# Allegro board pc069a_toplevel_13_perhaps_junk.brd (continued)
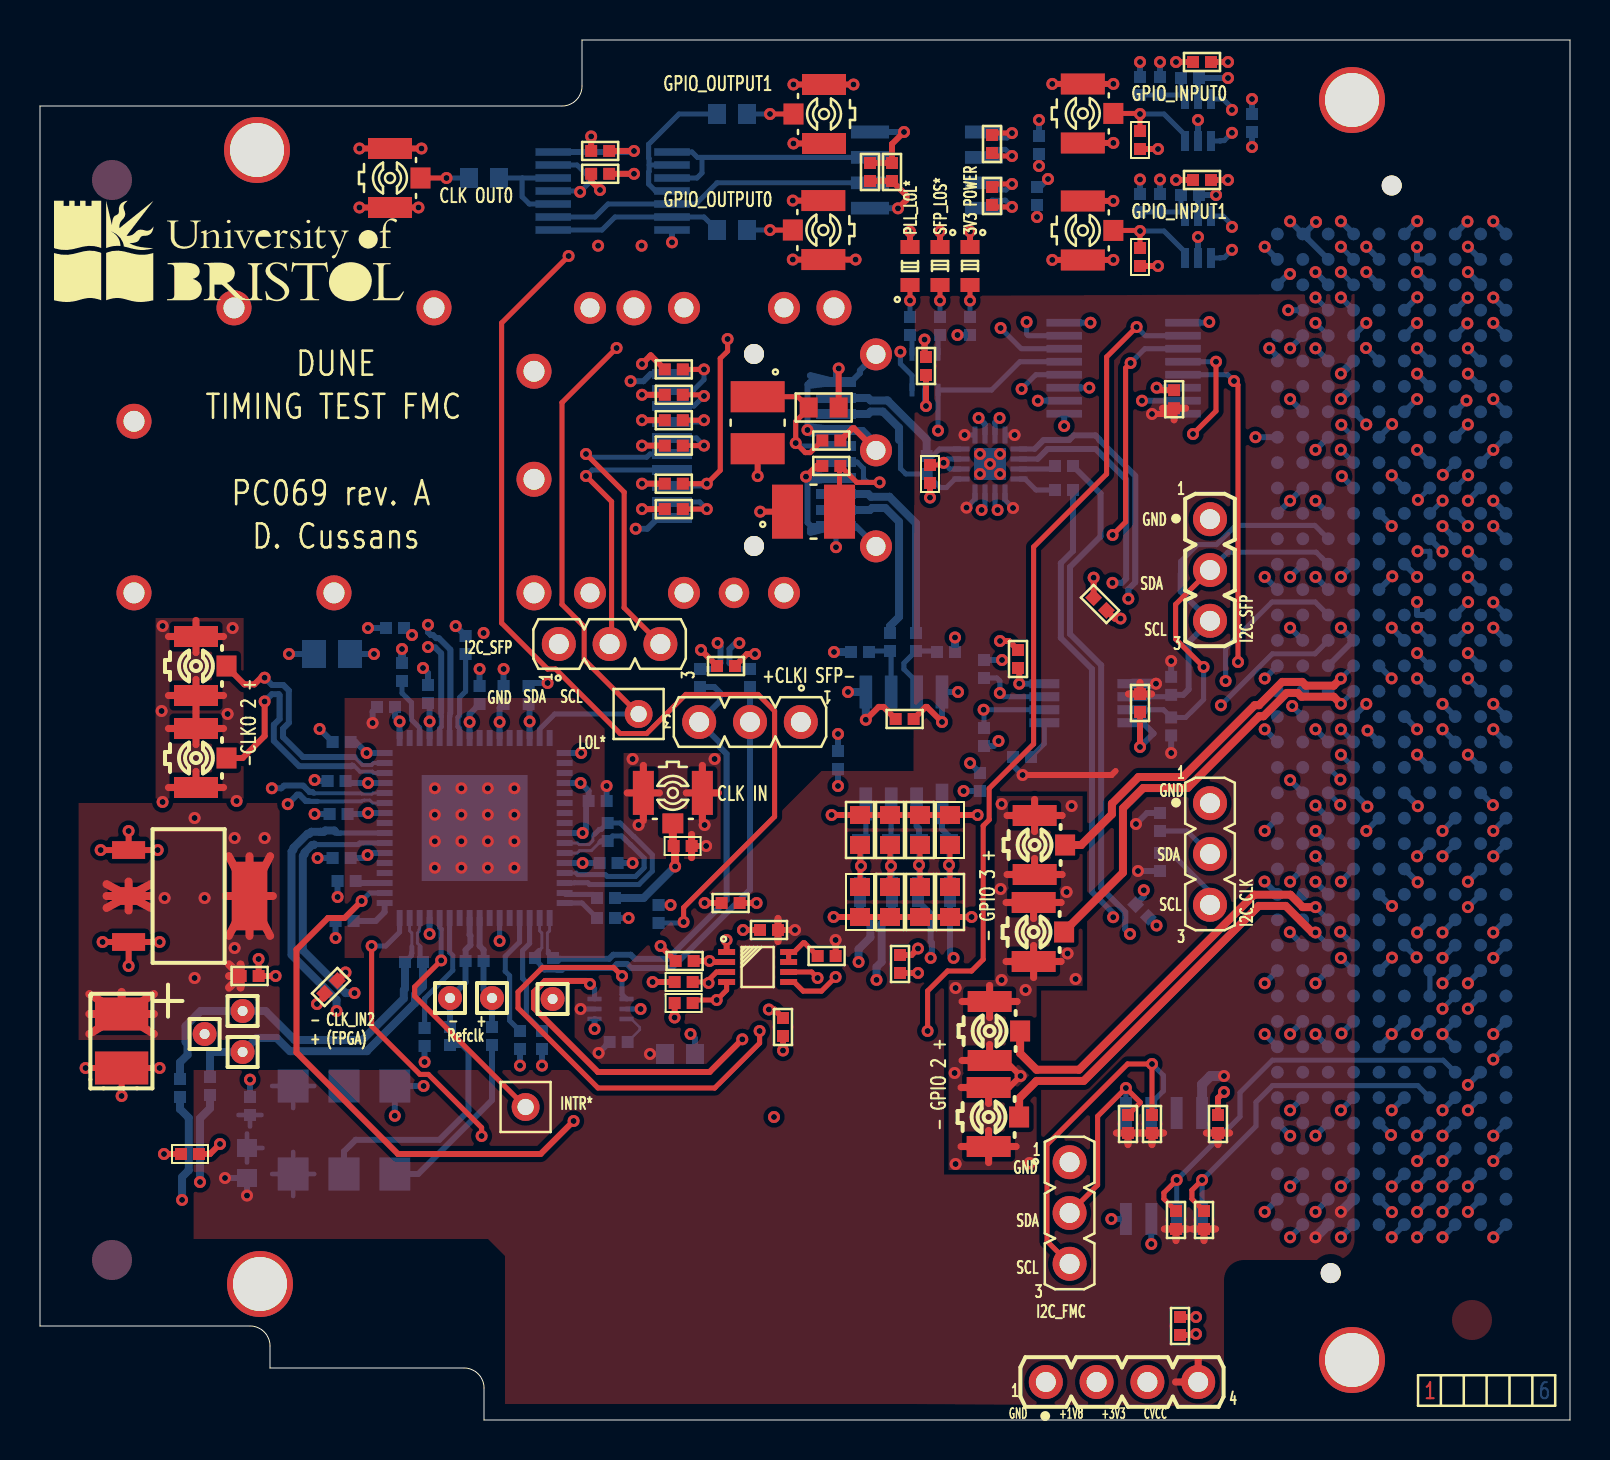
[diagram p0: board, top side]
## Routing (per net, layer and track width the routed paths; a pad name or vN(x,y) marks a point on that pad's centre or on a via; arc(x,y) is an arc through that point) (continued)
C2M_SFP_DATA_N: length 29.4
  L4_SIGN w0.3: v1(44.53,23.11) 44.89,22.75 45.22,22.75 45.44,22.53 45.47,22.53 45.48,22.53 46.36,22.53 55.73,31.9 57.96,31.9 58.03,31.97 58.33,31.97 59.77,33.4 64.91,33.4 v1(65.04,33.27)
  BOTTOM w0.254: P1.G22 v1(65.04,33.27)
  BOTTOM w0.3: v1(44.53,23.11) 44.53,23.31 44.6,23.38 44.6,23.86 44.53,23.92 44.53,25.32 C8.1
C2M_SFP_DATA_P: length 27.9
  L4_SIGN w0.3: v1(65.04,34.53) 64.47,33.96 59.54,33.96 58.1,32.52 57.8,32.52 57.73,32.45 55.5,32.45 46.13,23.08 45.7,23.08 v1(45.68,23.11)
  BOTTOM w0.254: P1.G21 v1(65.04,34.53)
  BOTTOM w0.3: v1(45.68,23.11) 45.5,23.28 C1.1
CLK0_C2M_N: length 92.2
  L4_SIGN w0.4: v1(7.1,11) 7.45,11 8.6,9.85 18.25,9.85 18.98,9.12 25.22,9.12 29.7,13.6 38.55,13.6 43.39,18.44 43.39,21.97 43.27,22.09 43.27,22.61 43.39,22.73 43.39,23.19 43.27,23.31 43.27,23.83 43.64,24.2 43.71,24.2 45.29,25.78 45.53,25.78 53.63,33.88 53.63,37.44 56.17,39.98 56.17,46.01 62.02,51.85 63.25,51.85 63.65,51.45 64.64,51.45 v1(65.04,51.05)
  BOTTOM w0.4: v1(7.1,11) 7.1,12.15 7.44,12.49 7.44,15.11 7,15.55 C28.1 ; P1.G7 v1(65.04,51.05)
CLK0_C2M_P: length 90.6
  L4_SIGN w0.4: v1(65.04,52.31) 64.83,52.1 63.92,52.1 63.52,52.51 61.75,52.51 55.52,46.28 55.52,40.25 52.98,37.71 52.98,34.15 45.26,26.43 45.02,26.43 43.44,24.85 43.37,24.85 42.62,24.1 42.62,23.04 42.65,23.01 42.65,22.91 42.62,22.88 42.62,21.82 42.74,21.7 42.74,18.71 38.28,14.25 29.43,14.25 24.95,9.77 19.25,9.77 18.52,10.5 8.87,10.5 8.08,11.29 8.08,11.82 v1(8,11.9)
  BOTTOM w0.4: C22.1 8.5,15.58 8,15.08 v1(8,11.9) ; P1.G6 v1(65.04,52.31)
CLK0_M2C_N: length 75.1
  L4_SIGN w0.3: v1(63.77,54.85) 63.18,55.45 63.18,55.53 62.65,56.07 62.1,56.07 59.63,53.6 49.01,53.6 49.01,53.6 48.82,53.6 46.5,51.28 44.06,51.28 43.65,50.87 37.62,50.87 34.48,47.74 34.48,44.31 33.67,43.5 23.8,43.5 23.5,43.2 23.5,38.69 22.94,38.13 21.74,38.13 19.12,35.5 14.07,35.5 12.78,34.21 12.78,32.5 12.94,32.34 12.94,31.82 12.39,31.27 v1(12.39,30.79)
  BOTTOM w0.15: 16.05,30.93 16.07,30.93 16.12,30.98 16.19,30.98 16.21,30.99 16.48,30.99 16.63,30.85 IC3.27
  BOTTOM w0.2: 13.85,30.93 16.05,30.93
  BOTTOM w0.254: P1.H5 v1(63.77,54.85) ; 13.85,30.93 13.85,30.93 13.52,30.93 13.45,30.93 13.44,30.95
  BOTTOM w0.3: 13.44,30.95 13.29,30.95 12.97,31.27 12.86,31.27 v1(12.39,30.79)
CLK0_M2C_P: length 75.7
  L4_SIGN w0.3: v1(11.59,31.59) 12.07,31.59 12.49,32.01 12.49,32.15 12.33,32.31 12.33,34.4 13.89,35.96 18.93,35.96 21.55,38.58 22.75,38.58 23.05,38.88 23.05,43.38 23.61,43.95 33.48,43.95 34.03,44.5 34.03,47.92 37.43,51.32 43.47,51.32 43.87,51.73 46.31,51.73 48.63,54.05 59.44,54.05 61.91,56.52 62.84,56.52 63.23,56.12 v1(63.77,56.12)
  BOTTOM w0.15: IC3.28 16.65,31.35 16.59,31.3 16.09,31.3 16.05,31.34
  BOTTOM w0.2: 13.69,31.34 16.05,31.34
  BOTTOM w0.254: P1.H4 v1(63.77,56.12) ; 13.62,31.4 13.69,31.34
  BOTTOM w0.3: v1(11.59,31.59) 12.07,31.59 12.2,31.72 13.16,31.72 13.48,31.4 13.62,31.4
CLK1_M2C_N: length 69.1
  L4_SIGN w0.3: v1(19.4,38.65) 19.4,38.74 20.21,39.54 20.21,40.87 20.51,41.17 20.55,41.17 20.6,41.22 20.6,52.94 24.56,56.9 36.03,56.9 36.03,56.89 42,56.89 43.04,57.93 48.09,57.93 49.97,56.05 60.43,56.05 62.36,57.97 64.01,57.97 64.23,57.75 64.69,57.75 v1(65.04,57.4)
  BOTTOM w0.254: P1.G3 v1(65.04,57.4) ; 20.06,35.36 20.06,35.18 20.07,35.17 20.07,34.66 19.98,34.58 IC3.37
  BOTTOM w0.3: v1(19.4,38.65) 19.42,38.63 19.76,38.63 20.06,38.33 20.06,35.36
CLK1_M2C_P: length 70
  L4_SIGN w0.3: v1(65.04,58.66) 64.69,58.31 64.46,58.31 64.24,58.53 62.13,58.53 60.2,56.6 50.2,56.6 48.32,58.48 42.81,58.48 41.77,57.44 36.26,57.44 36.25,57.45 24.33,57.45 20.05,53.17 20.05,41.49 19.65,41.1 19.65,39.81 19.6,39.76 v1(19.4,39.76)
  BOTTOM w0.254: IC3.38 20.48,35.17 20.49,35.18 20.49,35.3 20.52,35.32 20.52,35.36 ; P1.G2 v1(65.04,58.66)
  BOTTOM w0.3: v1(19.4,39.76) 19.4,39.39 19.54,39.25 19.65,39.25 19.81,39.09 19.95,39.09 20.52,38.52 20.52,35.36
CLK_I2C_SEL: length 4.4
  BOTTOM w0.254: R13.1 21.28,36.43 20.98,36.13 20.98,35.22 20.9,35.14 20.9,34.66 20.98,34.58 IC3.39
CLK_IN0_N: length 1.9
  BOTTOM w0.254: IC3.64 27.1,25.85 C26.2
CLK_IN0_P: length 1.7
  BOTTOM w0.254: IC3.63 26.23,26.33 26.28,26.28 27.67,26.28 C23.2
CLK_IN1_N: length 25.2
  BOTTOM w0.15: IC3.2 24.98,24.46 25.09,24.35 25.09,23.61 24.96,23.48
  BOTTOM w0.254: 24.96,23.48 24.75,23.27 R11.1 24.75,23.03 25.05,22.73 25.05,22.67 25.22,22.5 25.88,22.5
  BOTTOM w0.3: 25.88,22.5 26.08,22.5 26.18,22.6 28.65,22.6 28.85,22.8 29.35,22.8 29.55,22.6 31.58,22.6 35.5,26.52 J3.2 C27.2
CLK_IN1_P: length 24.9
  BOTTOM w0.15: IC3.1 25.48,24.46 25.37,24.35 25.37,23.5 25.42,23.45 25.42,23.44
  BOTTOM w0.254: 25.42,23.44 25.42,23.33 R11.2 25.65,23.01
  BOTTOM w0.3: 25.65,23.01 25.7,22.96 25.88,22.96 25.99,23.06 28.46,23.06 28.66,23.26 29.54,23.26 29.74,23.06 31.39,23.06 34.33,26 34.33,33.3 34,33.63 34,33.86 J3.3 34,35.94 34,36.37 33.72,36.65 C24.2
CLK_IN2_N: length 19.8
  BOTTOM w0.15: 18.59,23.65 18.59,24.35 18.48,24.46 IC3.15
  BOTTOM w0.254: 18.59,23.65 18.59,23.33 18.57,23.32 18.57,23.22 R8.2
  BOTTOM w0.4: R8.2 18.25,21.56 18.19,21.5 18.19,21.08 16.11,19 12.73,19 11.28,20.45 TP5.1 8.03,20.45 7.28,19.69 7.28,18.91 7.38,18.8 7.38,18.26 7,17.88 C28.2
CLK_IN2_P: length 17.6
  BOTTOM w0.15: IC3.14 18.98,24.55 18.95,24.52 18.95,24.43 18.87,24.35 18.87,23.84 19,23.71 19,23.65
  BOTTOM w0.254: 19,23.65 19,23.05 R8.1
  BOTTOM w0.4: R8.1 19.15,21.67 18.75,21.27 18.75,20.85 16.34,18.44 12.5,18.44 11.83,19.1 10.83,19.1 TP4.1 8.55,18.4 8.5,18.35 C22.2
CLK_OE*: length 6.1
  BOTTOM w0.254: R10.1 19.23,21.07 20.64,22.48 20.64,23.22 20.48,23.38 IC3.11
CLK_RSTB: length 88.6
  TOP w0.254: v1(32.18,24.9) 32.18,25.62 36.73,30.17 36.73,35.45 35.9,36.28 32.29,36.28 30.33,34.32 29.01,34.32 25.78,37.55 25.38,37.55 23.08,39.85 23.08,54.85 v1(26.43,58.2)
  L3_SIGN w0.254: v1(49.33,54.9) 45.63,58.6 37.4,58.6 36.75,57.95 26.68,57.95 v1(26.43,58.2) ; v1(32.18,24.9) 30.75,24.9 29.8,23.95 v1(22.98,23.95)
  BOTTOM w0.254: R16.1 32.13,24.85 v1(32.18,24.9) ; v1(49.33,54.9) 49.33,54.3 49.41,54.22 51.21,54.22 ; IC3.6 v1(22.98,23.95)
CLK_SCL: length 36.4
  TOP w0.254: v1(16.58,23.7) 16.58,19.7 19,17.28 19.42,17.28 22.08,14.62 v1(22.08,14.2) ; R41.2 33.38,21.9 v1(33.43,21.85) 33.43,22 33.83,22.4 IC1.3
  L3_SIGN w0.254: v1(33.43,21.85) 34.38,21.85 34.43,21.8 34.43,15.9 32.73,14.2 v1(22.08,14.2)
  BOTTOM w0.254: IC3.16 17.98,24.4 17.28,23.7 v1(16.58,23.7)
CLK_SDA: length 42.1
  TOP w0.254: R40.2 32.78,21 v1(33.83,21) 34.33,21.5 IC1.4
  TOP w0.3: v1(26.68,14.95) 25.03,13.3 17.9,13.3 12.82,18.38 12.82,23.52 14.4,25.1 15.23,25.1 v1(16.08,25.95)
  L3_SIGN w0.254: v1(26.68,14.95) 32.38,14.95 33.83,16.4 v1(33.83,21)
  BOTTOM w0.254: IC3.18 16.48,26.35 v1(16.08,25.95)
CTRLVCC: length 0.9
  BOTTOM w0.3: P1.D32 v1(68.85,19.3)
CVCC: length 42.7
  TOP w0.3: v1(39.78,24) R1.2 ; v1(55.6,50.3) 56.41,50.3 C61.2 ; 53.78,32.45 53.58,32.25 v1(49.13,32.25) ; C17.2 v1(37.75,24.5)
  TOP w0.354: C16.2 55.58,36.3 ; C16.2 54.42,36.3 ; C16.2 55,36.88 ; 57.91,3.03 J11.4 56.78,1.9 ; 58.2,8.97 R1328.2 ; R1328.2 57.62,9.55 ; R1328.2 58.78,9.55 ; 55.02,14.35 R103.2 ; R103.2 56.18,14.35 ; R103.2 55.6,13.77 ; R138.2 57.38,9.55 ; R138.2 56.8,8.97 ; R138.2 56.22,9.55 ; 53.82,14.35 R39.2 ; R39.2 54.98,14.35 ; R39.2 54.4,13.77 ; 58.32,14.35 C18.2 ; C18.2 59.48,14.35 ; C18.2 58.9,13.77 ; 36.9,25.08 C17.2 36.9,23.92 ; 56.7,50.01 C61.2 ; C61.2 56.13,50.59 ; C61.2 57.28,50.59
  BOTTOM w0.254: IC11.5 v1(27.03,20.55) ; v1(46.33,45.62) 46.75,46.04 IC4.16 ; IC4.13 48.25,46 v1(48.65,45.6) ; IC4.5 v1(46.23,49.25) ; IC4.8 v1(48.73,49.25)
  BOTTOM w0.3: R142.2 v1(56.56,33.35) ; v1(49.13,32.25) 48.65,32.73 R42.2 ; v1(9.25,12.1) L3.1 v1(10.35,11.22) ; R43.2 v1(54.9,27.45) ; R61.2 v1(27.93,18.35) ; R143.2 v1(56.56,37.95) ; R242.2 55.35,30.35 v1(54.8,29.8) ; C42.2 v1(30.5,18.3) ; IC10.16 55.61,50.31
  BOTTOM w0.5: P1.G39 v1(65.04,10.41) ; v1(59.2,17.2) 58.52,17.2 58.1,16.78 IC2.8 ; 55.61,50.31 v1(55.6,50.3) ; IC15.1 v1(55.8,36.81) ; P1.H40 v1(63.77,9.13)
F_GPIO_OUT0_N: length 28
  TOP w0.254: v1(48.6,60.65) 47.75,60.65 47.65,60.75 R45.1
  L3_SIGN w0.2: v1(48.6,60.65) 48.95,61 52.81,61 53.32,61.51 53.9,61.51 54.22,61.18 54.22,61.06 55.01,60.27 55.09,60.27 60.43,54.93 60.43,51.27 62.35,49.35 63.77,49.35 64.18,48.93 64.65,48.92 v1(65.04,48.52)
  BOTTOM w0.254: P1.G10 65.04,48.51 v1(65.04,48.52) ; v1(48.6,60.65) 48.26,60.99 47.6,60.99 IC8.4
F_GPIO_OUT0_P: length 27.5
  TOP w0.254: R45.2 47.75,61.8 v1(48.6,61.8)
  L3_SIGN w0.2: v1(65.07,49.76) 63.99,49.76 63.96,49.8 62.54,49.8 60.88,51.46 60.88,55.12 55.28,60.72 55.19,60.72 54.05,61.87 53.17,61.87 52.76,61.45 48.95,61.45 v1(48.6,61.8)
  BOTTOM w0.254: P1.G9 65.07,49.75 v1(65.07,49.76) ; IC8.3 47.56,61.5 48.3,61.5 v1(48.6,61.8)
F_GPIO_OUT1_N: length 69
  TOP w0.254: v1(48.6,64.35) 47.7,64.35 R46.1
  L4_SIGN w0.2: v1(65.01,30.76) 65.47,31.22 72.02,31.22 74.62,33.82 74.62,60.58 71.85,63.35 66.61,63.35 66.28,63.02 55.68,63.02 55.57,63.13 51.37,63.13 50.5,64 48.95,64 v1(48.6,64.35)
  BOTTOM w0.254: IC8.1 47.5,64.1 48.35,64.1 v1(48.6,64.35) ; P1.H23 v1(65.01,30.76)
F_GPIO_OUT1_P: length 67.6
  TOP w0.254: v1(48.6,63.2) 47.75,63.2 R46.2
  L4_SIGN w0.2: v1(65.02,32.02) 65.37,31.67 71.83,31.67 74.16,34.01 74.16,60.39 71.66,62.9 66.8,62.9 66.47,62.57 55.49,62.57 55.38,62.68 51.18,62.68 50.31,63.55 48.95,63.55 v1(48.6,63.2)
  BOTTOM w0.254: P1.H22 v1(65.02,32.02) ; IC8.2 47.6,63.53 48.27,63.53 v1(48.6,63.2)
F_SFP_N: length 8.1
  BOTTOM w0.254: R60.1 44.63,48.2 44.98,48.55 IC4.4
  BOTTOM w0.4: J4.12 41.41,51.1 41.53,50.98 42.38,50.98 44.33,49.03 R60.1
F_SFP_P: length 9.2
  BOTTOM w0.254: 42.95,49 42.95,48.97 43.02,48.9 43.02,47.57 43.29,47.3 R60.2 45.01,46.62 45.32,46.62 45.75,47.05 IC4.1
  BOTTOM w0.4: J4.13 41.41,50.3 41.53,50.42 42.14,50.42 42.95,49.61 42.95,49
FMC_GA0: length 21.4
  TOP w0.254: R138.1 56.2,11.05 56.2,11.36 v1(56.83,12)
  BOTTOM w0.254: P1.C34 70.16,17.99 61.62,17.99 60,16.37 60,15.16 v1(56.83,12) IC2.2
FMC_GA1: length 18.3
  TOP w0.254: R1328.1 57.6,11.05 57.6,11.49 v1(58.1,12)
  BOTTOM w0.254: IC2.1 v1(58.1,12) 60.8,14.7 60.8,15.9 61.62,16.72 68.89,16.72 P1.D35
FMC_SCL: length 79.4
  TOP w0.254: v1(29.1,22.2) 28.67,22.63 25.13,22.63 23.9,21.4 23.9,20.6 27.9,16.6 33.73,16.6 35.98,18.85 v1(35.98,19.45) ; J6.3 50.35,8.94 50.35,13.77 54.38,17.8 v1(55.6,17.8) R103.1
  L3_SIGN w0.254: v1(70.12,21.84) 69.49,21.2 61,21.2 57.6,17.8 v1(55.6,17.8) 55,18.4 40.9,18.4 39.85,19.45 v1(35.98,19.45)
  BOTTOM w0.254: P1.C30 v1(70.12,21.84) ; IC11.1 29.1,21.28 v1(29.1,22.2) ; IC2.6 55.56,15.85 56.17,16.45 56.17,17.23 v1(55.6,17.8)
FMC_SDA: length 66.6
  TOP w0.254: R39.1 55,15.85 55,15.89 v1(54.29,16.6) 52.88,15.19 52.88,11.75 J6.2
  TOP w0.3: v1(27.5,21.8) 27.35,21.95 25.26,21.95 24.7,21.4 24.7,20.6 27.9,17.4 33.48,17.4 v1(35.11,19.04)
  L3_SIGN w0.254: v1(35.11,19.04) 35.11,18.43 36.95,16.6 v1(54.29,16.6) 57.7,16.6 61.66,20.57 v1(70.12,20.57)
  BOTTOM w0.254: IC11.6 27.73,21.57 v1(27.5,21.8) ; v1(54.29,16.6) IC2.5 ; P1.C31 v1(70.12,20.57)
FPGA_CLK_RST: length 65.8
  TOP w0.254: v1(44.38,19.45) 44.38,21.45 45.38,22.45 46.58,22.45 47.16,23.03 47.16,29.71 47.46,30.01 47.46,31.58 49.68,33.8 49.68,43.65 53.33,47.3 53.33,53.15 v1(54.83,54.65)
  L3_SIGN w0.254: v1(44.38,19.45) 57.58,19.45 61.23,23.11 v1(65.04,23.11)
  BOTTOM w0.254: P1.G30 v1(65.04,23.11) ; 57.15,54.22 55.26,54.22 v1(54.83,54.65)
FPGA_CLK_SCL: length 48
  TOP w0.254: v1(38.88,22.1) 38.58,22.4 IC1.6
  L3_SIGN w0.254: v1(38.88,22.1) 40.46,20.52 53.25,20.52 J8.3 59.9,27.16 59.9,36.33 v1(59.28,36.95)
  BOTTOM w0.254: R43.1 56.55,28.35 58.5,26.4 J8.3 ; v1(59.28,36.95) 59.28,38.58 61.6,40.9 63.76,40.9 P1.H16
FPGA_CLK_SDA: length 44.5
  TOP w0.254: v1(39.78,22.15) 39.08,21.45 38.16,21.45 37.7,21.9 IC1.5
  L3_SIGN w0.254: v1(39.78,22.15) 41.01,20.92 52.93,20.92 56.63,24.62 56.63,26.43 J8.2 57.37,29.43 57.37,34.06 v1(59.05,35.73)
  BOTTOM w0.254: P1.H17 64.41,38.97 63.75,38.31 61.62,38.31 v1(59.05,35.73) ; J8.2 57.35,29.45 R242.1
FPGA_SFP_LOS: length 20.7
  TOP w0.254: v1(58.8,52.91) 58.8,50.45 v1(57.65,49.3)
  L3_SIGN w0.254: v1(57.65,49.3) 63.51,43.44 v1(68.88,43.44)
  BOTTOM w0.254: P1.D14 69.49,43.43 69.48,43.44 v1(68.88,43.44) ; IC10.12 v1(58.8,52.91)
FPGA_SFP_SCL: length 18.8
  BOTTOM w0.254: 57.03,42.3 57.03,42.93 57.87,43.77 58.83,43.77 59.79,44.73 63.74,44.73 P1.H13 ; IC15.2 56.46,36.16 R143.1
  BOTTOM w0.3: 57.03,42.3 57.03,41.43 J10.3 57.43,38.89 57.43,36.53 57.16,36.26 R143.1
FPGA_SFP_SDA: length 18.4
  TOP w0.254: v1(58.18,37.65) 56.78,39.05 56.78,40.78 J10.2
  BOTTOM w0.254: J10.2 59.39,43.39 63.81,43.39 P1.H14 ; v1(58.18,37.65) 58.18,36.03 57.28,35.13 R142.1 56.17,35.51 IC15.3
FPGA_SFP_TX_DIS: length 29.9
  TOP w0.254: v1(53.63,44.25) 54.28,44.9 54.28,52.6 v1(54.53,52.85)
  L3_SIGN w0.254: v1(68.85,39.62) 67.1,41.37 56.51,41.37 v1(53.63,44.25)
  BOTTOM w0.254: P1.D17 v1(68.85,39.62) ; v1(54.53,52.85) 55.24,53.56 IC10.11
FPGA_SFP_TX_FLT: length 26.9
  TOP w0.254: v1(59.9,37.9) 59.9,51.75 v1(59.7,51.95)
  L3_SIGN w0.254: v1(68.85,38.34) 60.34,38.34 v1(59.9,37.9)
  BOTTOM w0.254: IC10.13 59.38,52.27 v1(59.7,51.95) ; P1.D18 v1(68.85,38.34)
GPIO_IN0_N: length 29.6
  L3_SIGN w0.2: v1(71.41,47.24) 71.01,47.64 71.01,48.13 70.73,48.41 70.73,61.47 68.1,64.1 64.81,64.1 63.75,65.16 59.94,65.16 v1(59.6,65.5)
  BOTTOM w0.254: v1(71.41,47.24) 71.4,47.24 P1.C11 ; v1(59.6,65.5) 59.6,65.6 59.15,66.05 IC6.6
GPIO_IN0_P: length 28.6
  L3_SIGN w0.2: v1(70.14,47.26) 70.55,47.66 70.55,47.94 70.28,48.22 70.28,61.28 67.91,63.64 64.62,63.64 63.56,64.7 59.94,64.7 v1(59.6,64.36)
  BOTTOM w0.254: P1.C10 70.15,47.26 v1(70.14,47.26) ; v1(59.6,64.36) 59.21,63.97 59.02,63.97 59,63.95 IC6.1
GPIO_IN1_N: length 26.5
  L3_SIGN w0.2: v1(70.13,45.97) 69.75,46.35 69.75,46.86 68.66,47.95 68.63,47.95 68.3,48.28 68.3,48.73 68.7,49.13 68.7,50.34 67.85,51.19 67.85,59.15 66.06,60.94 62.09,60.94 60.46,59.31 59.94,59.31 v1(59.6,59.65)
  BOTTOM w0.254: v1(59.6,59.65) 59.6,59.75 59.15,60.2 IC7.6 ; v1(70.13,45.97) P1.D12
GPIO_IN1_P: length 25.6
  L3_SIGN w0.2: v1(59.6,58.51) 59.94,58.85 60.64,58.85 62.28,60.49 65.87,60.49 67.4,58.96 67.4,51 68.25,50.15 68.25,49.32 67.85,48.92 67.85,48.09 68.44,47.5 68.47,47.5 69.3,46.68 69.3,46.41 v1(68.89,46.01)
  BOTTOM w0.254: IC7.1 59,58.1 59.02,58.12 59.21,58.12 v1(59.6,58.51) ; v1(68.89,46.01) P1.D11
GPIO_IO2_N: length 21.2
  TOP w0.4: 48.95,15.15 48.95,16.08 49.83,16.95 52.19,16.95 60.93,25.7 62.28,25.7 63.61,24.38 v1(63.77,24.38)
  BOTTOM w0.254: P1.H29 v1(63.77,24.38)
GPIO_IO2_P: length 21
  TOP w0.4: J2.1 49,18.34 49.83,17.51 51.95,17.51 60.7,26.26 62.52,26.26 63.13,25.64 v1(63.77,25.64)
  BOTTOM w0.254: P1.H28 v1(63.77,25.64)
GPIO_IO3_N: length 21.8
  TOP w0.4: J15.1 51.2,24.43 54.15,27.37 54.15,30.59 55.16,31.6 57.38,31.6 60.96,35.19 61.17,35.19 62.34,36.35 62.88,36.35 63.07,36.16 64.69,36.16 v1(65.04,35.8)
  BOTTOM w0.254: P1.G19 v1(65.04,35.8)
GPIO_IO3_P: length 18.6
  TOP w0.4: v1(65.04,37.08) 64.69,36.72 63.3,36.72 63.11,36.9 62.11,36.9 60.95,35.74 60.74,35.74 57.15,32.15 54.93,32.15 53.6,30.82 53.6,30.29 52.06,28.75 J14.1
  BOTTOM w0.254: P1.G18 v1(65.04,37.08)
IN_SEL0: length 6.2
  BOTTOM w0.254: R17.2 24.32,20.23 24.32,21.89 24.13,22.08 24.13,23.47 24.48,23.82 IC3.3
IN_SEL1: length 6.3
  BOTTOM w0.254: IC3.4 23.98,23.9 23.26,23.18 23.26,22.43 23.48,22.21 23.48,19.97 R19.2
M2C_SFP_DATA_N: length 43.9
  L4_SIGN w0.3: v1(63.77,28.18) 63.42,28.54 62.03,28.54 60.65,27.16 60.65,23.96 58.68,22 54.3,22 53.67,22.62 53.67,23.44 54.5,24.27 v1(54.5,24.3)
  BOTTOM w0.254: P1.H26 v1(63.77,28.18)
  BOTTOM w0.3: v1(54.5,24.3) 54.26,24.54 54.26,25.39 53.06,26.59 53.06,37.74 51.5,39.3 51.5,42.65 53.03,44.18 53.03,46.32 R59.2
M2C_SFP_DATA_P: length 41.7
  L4_SIGN w0.3: v1(63.77,29.45) 63.42,29.1 61.8,29.1 60.09,27.39 60.09,24.19 58.45,22.55 54.52,22.55 54.22,22.85 54.22,23.21 55.08,24.06 55.08,24.54 54.74,24.88 53.92,24.88 v1(53.66,25.14)
  BOTTOM w0.254: v1(63.77,29.45) P1.H25
  BOTTOM w0.3: v1(53.66,25.14) 53.66,25.34 52.6,26.4 52.6,37.55 51.04,39.11 51.04,42.84 51.65,43.45 R58.2
OSC_CLK_N: length 5.9
  BOTTOM w0.3: C25.2 TP2.1 21.28,21.88 R7.2 21.28,23.5 21.52,23.74 21.52,24.22 21.48,24.26 IC3.9
OSC_CLK_P: length 5.7
  BOTTOM w0.3: IC3.8 21.98,23.7 22.18,23.5 R7.1 22.18,21.52 TP1.1 C21.2
PLL_INTR*: length 12.3
  TOP w0.254: v1(20.06,22.98) 18.73,21.65 18.73,21.2 TP9.1
  BOTTOM w0.254: IC3.12 19.98,24.62 20.06,24.54 v1(20.06,22.98)
PLL_LOL*: length 45.5
  TOP w0.254: TP10.1 27.21,38.02 27.21,39.67 26.1,40.78 26.1,50.87 v1(28.83,53.6)
  L3_SIGN w0.254: v1(28.83,53.6) 33.94,53.6 35.27,52.27 36.13,52.27 37.28,53.42 40.13,53.42 41.35,52.2 42.41,52.2 43.02,52.81 v1(43.02,53.41)
  BOTTOM w0.254: v1(43.02,53.41) 43.02,52.81 43.6,52.23 IC18.3 ; IC3.47 24.98,34.54 25.74,35.3 TP10.1
PLL_ZDM_CLK_N: length 11.2
  BOTTOM w0.15: 26.71,26.85 IC3.62 ; 27.39,26.86 27.37,26.86 ; 27.71,29.27 27.64,29.21 27.64,28.96 27.45,28.77 26.96,28.77 26.88,28.85 IC3.58
  BOTTOM w0.254: 26.71,26.85 26.72,26.86 27.37,26.86 ; 27.71,29.27 27.96,29.53 28.06,29.53 R18.1 29.01,29.85 29.69,29.17 29.7,29.17 30.61,28.26 30.61,27.44 29.95,26.77 27.48,26.77 27.39,26.86
PLL_ZDM_CLK_P: length 9.5
  BOTTOM w0.15: 26.81,27.35 IC3.61 ; 28,28.89 27.57,28.47 26.98,28.47 26.86,28.35 IC3.59
  BOTTOM w0.254: 28,28.89 28.05,28.95 R18.2 28.63,29.2 29.09,29.2 29.21,29.08 29.28,29 29.28,29 29.52,28.76 29.53,28.76 30.21,28.09 30.21,27.61 29.78,27.18 28.36,27.18 28.26,27.27 26.89,27.27 26.81,27.35
S_CLK_IN: length 5.9
  TOP w0.4: PX1.1 31.64,28.74 R27.2 31.75,28.62 v1(31.75,27.68)
  BOTTOM w0.4: C23.1 30.18,26.1 v1(31.75,27.68)
S_GPIO_IN0: length 5.2
  TOP w0.25: PX2.1 54.97,65.33 v1(55,65.3) R30.2
  BOTTOM w0.25: v1(55,65.3) 56.2,65.3 57.25,64.25 IC6.3
S_GPIO_IN1: length 5.2
  TOP w0.25: R31.2 v1(55,59.45) 54.97,59.48 PX3.1
  BOTTOM w0.25: v1(55,59.45) 56.2,59.45 57.25,58.4 IC7.3
SFP2PLL_DATA_N: length 36.2
  L4_SIGN w0.3: v1(54.42,41.06) 53.94,41.06 52.71,39.83 35.64,39.83 35.59,39.78 35.59,39.78 35.25,39.44 35.25,39.44 34.97,39.15 v1(34.97,38.85)
  BOTTOM w0.254: IC4.9 49.73,48.55
  BOTTOM w0.3: v1(34.97,38.85) 34.78,38.85 34.48,38.55 34.48,37.85 34.78,37.55 C27.1 ; v1(54.42,41.06) 54.42,41.54 54.76,41.88 54.76,47.21 52.97,49 52.97,49.04 52.77,49.23 51.69,49.23 51.46,49 50.18,49 49.73,48.55
SFP2PLL_DATA_P: length 35.6
  L4_SIGN w0.3: v1(33.88,38.85) 33.88,39.16 35,40.28 52.52,40.28 53.62,41.38 v1(53.62,41.86)
  BOTTOM w0.254: 49.88,48.05 IC4.10
  BOTTOM w0.3: v1(33.88,38.85) 34.02,38.71 34.02,38.65 34.02,37.85 33.72,37.55 C24.1 ; 49.88,48.05 50.38,48.55 51.64,48.55 51.65,48.55 52.78,48.55 54.31,47.02 54.31,42.07 54.1,41.86 v1(53.62,41.86)
SFP_LOS: length 24.2
  TOP w0.254: 32.14,51.26 33.14,51.26 v1(33.2,51.2)
  L3_SIGN w0.254: v1(44.9,49.47) 44.23,49.47 42.5,51.2 v1(33.2,51.2)
  BOTTOM w0.254: v1(44.9,49.47) IC18.1 47.58,51.5 48.99,52.91 IC10.5 ; J4.8 32.7,50.7 v1(33.2,51.2)
SFP_SCL: length 49.1
  TOP w0.254: J5.3 29.21,40.61 29.21,46.39 v1(27.3,48.3)
  L3_SIGN w0.254: v1(27.3,48.3) 28.4,47.2 28.4,44.38 30.18,42.6 46.1,42.6 47.23,41.47 47.23,37.11 v1(47.99,36.35)
  BOTTOM w0.254: J4.5 30.5,48.3 30.34,48.14 27.46,48.14 v1(27.3,48.3) ; 50.21,36.16 48.18,36.16 v1(47.99,36.35) 47.99,36.95 47.85,37.1 R411.2
SFP_SDA: length 44.5
  TOP w0.254: v1(27.3,47.2) 28.58,45.92 28.58,38.9 J5.2
  L3_SIGN w0.254: v1(47.18,35.51) 46.65,36.04 46.65,37.15 43.9,39.9 31.53,39.9 27.3,44.13 v1(27.3,47.2)
  BOTTOM w0.254: v1(27.3,47.2) 27.6,47.5 J4.4 ; 50.21,35.51 v1(47.18,35.51) 47.2,35.49 R140.2
SFP_TX_DISABLE: length 29
  TOP w0.254: 32.14,46.81 v1(33.34,46.81) 34.01,47.48 34.01,53.08 34.38,53.45 v1(34.38,54.05)
  L3_SIGN w0.254: v1(34.38,54.05) 34.98,54.05 35.38,54.44 42.99,54.44 43.99,53.45 46.88,53.45 v1(48.03,54.6)
  BOTTOM w0.254: J4.3 33.23,46.7 v1(33.34,46.81) ; IC10.6 49.06,53.56 v1(48.03,54.6)
SFP_TX_FAULT: length 23.9
  TOP w0.254: 32.14,45.55 v1(33.34,45.55)
  L3_SIGN w0.254: v1(49.08,51.55) 47.56,51.55 45.48,49.47 45.48,49.23 42.25,46 33.79,46 v1(33.34,45.55)
  BOTTOM w0.254: v1(49.08,51.55) 49.79,52.27 IC10.4 ; v1(33.34,45.55) 32.99,45.9 J4.2
T_DIFF_UFL_CLK_N: length 13.6
  TOP w0.3: v1(11.23,35.93) 11.23,34.2 10.13,33.1 J13.1
  BOTTOM w0.2: 15.62,32.72 15.69,32.72 15.99,32.42 16.62,32.42 16.68,32.35 IC3.30
  BOTTOM w0.3: 15.62,32.72 15.6,32.72 15.57,32.69 12.96,32.69 11.69,33.96 11.69,34.76 11.98,35.05 11.98,36.24 11.93,36.29 11.59,36.29 v1(11.23,35.93)
T_DIFF_UFL_CLK_P: length 12.1
  TOP w0.3: J12.1 9.32,37.67 10.22,36.78 10.72,36.78 11.05,37.12 v1(11.23,37.12)
  BOTTOM w0.2: 15.73,33.15 16.13,32.75 16.58,32.75 16.68,32.85 IC3.31
  BOTTOM w0.3: 15.73,33.15 13.15,33.15 12.15,34.15 12.15,34.57 12.44,34.86 12.44,36.48 12.17,36.75 11.59,36.75 v1(11.23,37.12)
T_FFD_CLK_N: length 47.9
  L4_SIGN w0.4: v1(40.93,22.9) 40.93,22.57 40.41,22.04 40.41,18.98 38.22,16.8 28.2,16.8 25.59,19.42 17.28,19.42 15.73,20.97 v1(15.73,21.35)
  BOTTOM w0.254: IC3.23 15.99,28.85 15.91,28.77 13.71,28.77
  BOTTOM w0.4: v1(40.93,22.9) 40.93,23.54 41.52,24.13 41.52,24.8 41,25.32 C38.1 ; 13.71,28.77 13.7,28.75 13.61,28.75 13.23,28.37 13.23,28.28 13.14,28.2 13.14,23.49 15.28,21.35 v1(15.73,21.35)
T_FFD_CLK_P: length 51.4
  L4_SIGN w0.4: v1(14.83,20.45) 15.32,20.45 17.01,18.76 25.32,18.76 27.93,16.15 38.5,16.15 41.06,18.71 41.06,21.77 41.29,22 v1(41.83,22)
  BOTTOM w0.254: IC3.24 15.03,29.35 15.02,29.34 14.88,29.34 14.81,29.41 14.78,29.41
  BOTTOM w0.4: C7.1 42.6,25.32 42.08,24.8 42.08,22.9 41.83,22.65 v1(41.83,22) ; 14.78,29.41 14.71,29.48 14.26,29.48 14.2,29.41 14.03,29.41 13.56,29.41 13.46,29.31 13.38,29.31 12.67,28.6 12.67,28.52 12.58,28.43 12.58,23.26 14.83,21.01 v1(14.83,20.45)
T_MCX_CLK0: length 34.3
  L4_SIGN w0.4: v1(18.1,38.55) 17.66,38.99 17.66,56.03 23.03,61.41 v1(27,61.41)
  BOTTOM w0.254: IC9.11 26.96,61.45 v1(27,61.41) 27.43,61.83 27.43,62.17 26.85,62.75 IC9.13
  BOTTOM w0.4: R26.2 v1(18.1,38.55)
T_SFP_N: length 9.2
  BOTTOM w0.4: C2.2 42.5,39.7 42.95,40.15 42.95,44.91 42.26,45.6 41.6,45.6 41.5,45.5 J4.19
T_SFP_P: length 10.1
  BOTTOM w0.4: J4.18 41.41,46.3 41.55,46.16 42.48,46.16 43.8,44.84 C39.2
UNNAMED_2_CON400P40ABCDEFGHJK_I: length 1.3
  BOTTOM w0.254: P1.D30 P1.D31
UNNAMED_2_PCA9306_I276_EN: length 2.4
  TOP w0.254: R1.1 38.23,23.85 38.16,23.85 37.7,23.4 IC1.8 IC1.7
UNNAMED_2_PCA9517_I162_EN: length 2
  BOTTOM w0.254: 50.21,34.86 50.21,33.81 R42.1
UNNAMED_2_RSMD0402_I314_A: length 1.8
  BOTTOM w0.127: IC11.3 29.57,20.05 29.99,19.63 29.99,19.51 R61.1
UNNAMED_3_CAPCERSMDCL2_I325_B: length 6.3
  TOP w0.254: R4.1 45.5,27.8 v1(45.45,27.75) 45.5,27.7 R12.2
  BOTTOM w0.254: R2.1 v1(45.45,27.75) 45.45,26.9 C1.2
  BOTTOM w0.3: U1.1 45.1,29.54 45.45,29.19 R2.1
UNNAMED_3_CAPCERSMDCL2_I331_A: length 3.1
  BOTTOM w0.254: R5.2 41.5,38.45 C2.1 42.56,38.39 U1.6
UNNAMED_3_CAPCERSMDCL2_I332_A: length 3.6
  BOTTOM w0.254: R6.2 44.8,38.45 C39.1 43.2,37.85 43.2,37.54 43.83,36.91 U1.7
UNNAMED_3_CAPCERSMDCL2_I337_B: length 6.2
  TOP w0.254: R53.1 44,27.8 v1(43.95,27.75) 44,27.7 R54.2
  BOTTOM w0.254: C8.2 43.95,26.9 v1(43.95,27.75) R2.2
  BOTTOM w0.3: U1.2 43.83,29.7 43.95,29.58 R2.2
UNNAMED_3_CAPCERSMDCL2_I346_B: length 6.2
  TOP w0.254: R55.1 41,27.75 v1(41.05,27.7) 41,27.65 R57.2
  BOTTOM w0.254: C38.2 41.05,26.9 v1(41.05,27.7) R3.1 41.29,29.04 U1.4
UNNAMED_3_CAPCERSMDCL2_I349_B: length 6.1
  TOP w0.254: R52.2 42.5,27.65 v1(42.55,27.7) 42.5,27.75 R34.1
  BOTTOM w0.254: U1.3 42.56,29.56 42.55,29.55 R3.2 v1(42.55,27.7) 42.6,27.65 C7.2
UNNAMED_4_CAPCERSMDCL2_I119_A: length 9.1
  BOTTOM w0.3: QZ1.4 18.91,12.3 22.6,15.99 C21.1
UNNAMED_4_CAPCERSMDCL2_I120_A: length 12.2
  BOTTOM w0.3: C25.1 21.11,18.75 21.42,18.44 21.42,15.46 19.97,14.01 15.78,14.01 15.2,13.43 QZ1.5
UNNAMED_4_RSMD0402_I49_A: length 2.2
  BOTTOM w0.3: IC3.17 17.23,25.4 16.78,24.95 R20.1
UNNAMED_4_RSMD0402_I50_A: length 1.5
  BOTTOM w0.3: IC3.19 15.88,26.85 R21.1
UNNAMED_4_RSMD0402_I123_A: length 3.2
  BOTTOM w0.254: R26.1 18.1,36.35 18.57,35.87 18.57,35.01 18.98,34.61 IC3.35
UNNAMED_5_74LCX04_I304_Y: length 5.4
  BOTTOM w0.254: 24.11,62.1 R47.1 ; 24.11,62.1 24.11,61.16 24.47,60.8 IC9.10 ; 24.11,62.1 IC9.12
UNNAMED_5_74LCX04_I317_A: length 12.4
  BOTTOM w0.254: IC9.1 32.6,63.4 32.87,63.13 33.1,63.13 ; 33.1,63.13 33.1,62.35 32.85,62.1 IC9.3 ; 33.1,63.13 IC8.7
UNNAMED_5_74LCX04_I317_Y: length 8.5
  BOTTOM w0.254: 30.46,62.75 30.46,63.07 30.43,63.09 30.43,63.79 31.95,65.3 R49.1 ; 30.46,62.75 30.46,62.43 30.43,62.41 30.43,61.79 30.78,61.45 IC9.4 ; 30.46,62.75 IC9.2
UNNAMED_5_74LCX04_I323_A: length 16.5
  BOTTOM w0.254: IC9.9 27.75,60.15 28.4,60.8 IC9.5 32.79,60.8 33.85,61.86 IC8.6
UNNAMED_5_74LCX04_I323_Y: length 8.7
  BOTTOM w0.254: IC9.8 28.1,59.5 28.75,60.15 IC9.6 33.2,60.15 R48.1
UNNAMED_5_ADCMP604_I285_: length 3.2
  BOTTOM w0.254: R36.2 C52.2 57.05,66.25 ; 57.05,66.25 IC6.4 ; 57.05,66.25 R35.1
UNNAMED_5_ADCMP604_I294_: length 3.2
  BOTTOM w0.254: R38.2 C53.2 57.05,60.4 ; 57.05,60.4 R37.1 ; 57.05,60.4 IC7.4
UNNAMED_5_PCOAX_I312_A: length 2.4
  TOP w0.254: PX4.1 v1(20.32,62.1)
  BOTTOM w0.254: R47.2 v1(20.32,62.1)
UNNAMED_5_PCOAX_I315_A: length 2.3
  TOP w0.254: v1(36.5,65.3) PX6.1
  BOTTOM w0.254: v1(36.5,65.3) R49.2
UNNAMED_5_PCOAX_I321_A: length 2.3
  TOP w0.254: PX5.1 v1(36.5,59.5)
  BOTTOM w0.254: R48.2 36.5,59.5 v1(36.5,59.5)
UNNAMED_11_CAPCERSMDCL2_I338_B: length 2.7
  TOP w0.254: v1(45.18,47.86) 45.07,47.75 C11.2
  BOTTOM w0.254: IC4.3 45.37,48.05 v1(45.18,47.86) 45.49,47.55 IC4.2
UNNAMED_11_CON20PSFP_I175_MODDE: length 2.8
  TOP w0.254: v1(33.2,48.72) 32.14,48.72
  BOTTOM w0.254: v1(33.2,48.72) 32.82,49.1 J4.6
UNNAMED_11_CON20PSFP_I175_RATES: length 2.7
  TOP w0.254: v1(33.2,49.99) 32.14,49.99
  BOTTOM w0.254: J4.7 33.11,49.9 v1(33.2,49.99)
UNNAMED_11_CON20PSFP_I175_VCCR: length 8.7
  TOP w0.254: C63.2 38.51,48.37 38.26,48.37 v1(37.79,48.85) 37.79,49.93 38.43,50.58 C64.2 37.9,51.16 L1.1
  BOTTOM w0.254: J4.15 37.93,48.7 v1(37.79,48.85)
UNNAMED_11_CON20PSFP_I175_VCCT: length 7.5
  TOP w0.254: v1(41.98,46.88) 40.84,46.88 C62.2 39.98,47.66 L2.2
  BOTTOM w0.254: v1(41.98,46.88) 41.38,46.88 41.17,47.08 41.17,47.58 40.85,47.9 J4.16
UNNAMED_11_CON20PSFP_I175_VEER: length 3.4
  TOP w0.254: 32.14,52.53 v1(33.2,52.53)
  BOTTOM w0.254: J4.9 32.68,51.5 33.2,52.02 v1(33.2,52.53)
UNNAMED_11_LED1_I225_B: length 1.6
  TOP w0.254: v1(43.5,55.97) LD1.2
  BOTTOM w0.254: R50.1 v1(43.5,55.97)
UNNAMED_11_LED1_I226_A: length 1.6
  TOP w0.254: v1(45,55.97) LD2.1
  BOTTOM w0.254: R51.1 v1(45,55.97)
UNNAMED_11_LED1_I227_A: length 1.6
  TOP w0.254: LD3.1 v1(46.5,55.97)
  BOTTOM w0.254: v1(46.5,55.97) R56.1
UNNAMED_11_RSMD0402_I232_B: length 1
  BOTTOM w0.254: R50.2 43.6,54.15 IC18.4
UNNAMED_11_RSMD0402_I233_B: length 1
  BOTTOM w0.254: IC18.6 44.9,54.15 R51.2
UNNAMED_11_RSMD0402_I312_A: length 2
  BOTTOM w0.254: R58.1 49.8,46.5 49.25,47.05 IC4.12
UNNAMED_11_RSMD0402_I313_A: length 1.9
  BOTTOM w0.254: IC4.11 50.6,47.55 R59.1

## Copper pours and planes (outline as drawn; the poured copper is in the pictures)
AVDD on BOTTOM: 8.48,9.05 20.48,9.05 20.48,17.45 8.48,17.45
GND on TOP: 15.23,23.1 28.23,23.1 28.23,36.1 15.23,36.1
GND on TOP: 2.6,8 4.6,8
GND on TOP: 2.6,62 4.6,62
GND on TOP: 29.18,28.05 34.03,28.05 34.03,33.35 29.18,33.35
GND on TOP: 45.43,12.5 49.83,12.5 49.83,22 45.43,22
GND on TOP: 47.73,21.7 52.13,21.7 52.13,31.2 47.73,31.2
GND on TOP: 5.78,30.6 10.18,30.6 10.18,40.1 5.78,40.1
GND on TOP, BOTTOM: 70.6,5 72.6,5
GND on BOTTOM: 36.9,43.35 40.8,43.35 40.8,53.1 36.9,53.1
GND on L2_GND: 22.84,0.64 22.84,1.6 22.36,2.76 21.2,3.24 12.14,3.24 12.14,3.7 11.66,4.86 10.5,5.34 0.64,5.34 0.64,65.06 26.1,65.06 27.26,65.54 27.74,66.7 27.74,68.36 75.86,68.36 75.86,2.37 68.9,2.37 68.9,0.64
P1V8 on TOP: 1.93,19 11.98,19 11.98,30.85 1.93,30.85
P1V8 on L4_SIGN: 2.48,13.85 37.98,13.85 37.98,40.1 2.48,40.1 ; 9 cut-outs
P3V3 on L5_PWR: 22.84,0.64 22.84,1.6 22.36,2.76 21.2,3.24 12.14,3.24 12.14,3.7 11.66,4.86 10.5,5.34 0.7,5.34 0.7,65.06 26.1,65.06 27.26,65.54 27.74,66.7 27.74,68.36 75.86,68.36 75.86,2.37 68.9,2.37 68.9,0.64
CVCC on TOP: 43.74,56.2 65.73,56.3 65.73,9 65.43,8.29 64.73,8 60.2,8 59.49,7.71 59.2,7 59.2,1.7 58.91,0.99 58.2,0.7 43.58,0.8 23.25,0.8 23.25,8.2 22.4,9.05 7.68,9.05 7.68,17.5 26.43,17.5 26.48,17.45 26.73,17.7 26.73,22.45 26.98,22.7 29.33,22.7 39.08,32.45 43.67,32.45

Small or netless copper shapes (teardrops, artwork), in the pictures only: 2 on BOTTOM

## Text on the board
BOTTOM: 6
Ref Des/Silkscreen Bottom: GND | +1V8 | +3V3 | CVCC | SDA | SCL | I2C_CLK | I2C_SFP
User.Comments: pc069a - DUNE Timing System "Reference Hardware" FMC | 30/Jun/22 | 13 | DGC | 22
TOP: 1
Ref Des/Silkscreen Top: GND       +1V8    +3V3    CVCC | - CLK_IN2 | + (FPGA) | Refclk | -   + | I2C_SFP | GND | SDA | SCL | INTR* | LOL* | I2C_FMC | PLL_LOL* | SFP_LOS* | 3V3 POWER | I2C_CLK | CLK OUT0 | GPIO_OUTPUT1 | GPIO_OUTPUT0 | CLK IN | +CLKI SFP- | GPIO_INPUT0 | GPIO_INPUT1 | -CLKO 2 + | - GPIO 2 + | - GPIO 3 + | DUNE | D. Cussans
L2_GND: 2
L3_SIGN: 3
L4_SIGN: 4
L5_PWR: 5
User.45: FIGURE | FINISHED_SIZE | 0.3 | 0.5 | 0.8128 | 0.8499 | 0.95 | 1.0 | 1.05 | 2.7 | 1.3 | 1.4 | DRILL CHART: TOP to BOTTOM | ALL UNITS ARE IN MILLIMETERS | PLATED | NON-PLATED | QTY | 538 | 6 | 2 | 1 | 9 | 19 | 10 | 4
